# KiCad board Rogelio Pineda part 2v2-AMLDC-2044B.kicad_pcb (continued)
## Nets (continued)
P6p11: UP6.11
P6p12: UP6.5 UP6.12
P6p13: UP6.13
P7p2: UP7.2
P7p3: UP7.3 UR7.3 US7.3
P7p5: UP7.5
P7p8: UP7.8
P7p9: UP7.9
P7p11: UP7.11 UR7.14
P7p12: UP7.1 UP7.12
P7p14: UP7.14
Q1p1: C8.2 C9.1 Q1.1 Q1.2 R20.1 R21.2 R23.1 R24.2
Q1p3: C9.2 Q1.3 R25.1 Y1.1
R0p1: UR0.1
R0p4: UR0.4
R0p9: UR0.9
R0p12: UR0.12
R0p13: UR0.2 UR0.5 UR0.10 UR0.13 US0.2 US0.5 US0.10 US0.13
R1p1: UR1.1
R1p2: UR1.2
R1p3: UR1.3
R1p4: UR1.4 UR1.13 US1.4 US1.13
R1p5: UR1.5 US1.5
R1p6: UR1.6
R1p7: UR1.7
R1p8: UR1.8
R1p9: UR1.9
R1p10: UR1.10
R1p11: UR1.11
R1p14: UR1.14
R1p15: UR1.15
R1p16: UR1.16
R2p1: UR2.1
R2p4: UR2.4
R2p8: UR2.8
R2p9: UR2.9
R2p11: UR2.11
R2p12: UR2.12
R2p13: UR2.13
R2p14: UR2.14
R2p15: UR2.15
R2p16: UR2.16
R3p1: UR3.1
R3p4: UR3.4
R3p9: UR3.9
R3p10: UR3.5 UR3.10 US3.5 US3.10
R3p12: UR3.12
R3p13: UR3.2 UR3.13 US3.2 US3.13
R4p1: UR4.1
R4p2: UR4.2
R4p3: UR4.3
R4p5: UR4.5
R4p6: UR4.6
R4p7: UR4.7
R4p8: UR4.8
R4p9: UR4.9
R4p10: UR4.10
R4p11: UR4.11
R4p13: UR4.4 UR4.13 US4.4 US4.13
R4p14: UR4.14
R4p15: UR4.15
R4p16: UR4.16
R5p1: UR5.1
R5p2: UR5.2
R5p3: UR5.3
R5p4: UR5.4
R5p5: UR5.5
R5p6: UR5.6
R5p9: UR5.9
R5p10: UR5.10
R5p11: UR5.11
R5p12: UR5.12
R5p13: UR5.13
R6p3: UR6.3
R6p4: UR6.4
R6p6: UR6.6
R6p8: UR6.8
R6p9: UR6.9
R6p10: UR6.10
R6p11: UR6.11
R6p12: UR6.5 UR6.12
R6p13: UR6.13
R7p2: UR7.2
R7p5: UR7.5
R7p8: UR7.8
R7p9: UR7.9
R7p11: UR7.11 US7.14
R7p12: UR7.1 UR7.12
R39p1: R39.1 R69.2
R39p2: R39.2
R42p2: R42.2
R79p2: R79.2
S0p1: US0.1
S0p3: US0.3
S0p4: US0.4
S0p6: US0.6
S0p8: US0.8
S0p9: US0.9
S0p11: US0.11
S0p12: US0.12
S1p1: US1.1
S1p2: US1.2
S1p3: US1.3
S1p6: US1.6
S1p7: US1.7
S1p8: US1.8
S1p9: US1.9
S1p10: US1.10
S1p11: US1.11
S1p14: US1.14
S1p15: US1.15
S1p16: US1.16
S3p1: US3.1
S3p3: US3.3
S3p4: US3.4
S3p6: US3.6
S3p8: US3.8
S3p9: US3.9
S3p11: US3.11
S3p12: US3.12
S4p1: US4.1
S4p2: US4.2
S4p3: US4.3
S4p6: US4.6
S4p7: US4.7
S4p8: US4.8
S4p9: US4.9
S4p10: US4.10
S4p11: US4.11
S4p14: US4.14
S4p15: US4.15
S4p16: US4.16
S6p3: US6.3
S6p6: US6.6
S6p8: US6.8
S6p9: US6.9
S6p10: US6.10
S6p11: US6.11
S6p12: US6.5 US6.12
S6p13: US6.13
S7p2: US7.2
S7p8: US7.8
S7p9: US7.9
S7p11: US7.11
S7p12: US7.1 US7.12
SEL EN: J1.76
SPARE: J1.79 R56.1
STRT: J1.52
T0p1: UT0.1
T0p2: UT0.2
T0p3: UT0.3
T0p4: UT0.4
T0p5: UT0.5
T0p6: UT0.6
T0p8: UT0.8
T0p9: UT0.9
T0p10: UT0.10
T0p11: UT0.11
T0p12: UT0.12
T0p13: UT0.13
T1p1: UT1.1
T1p2: UT1.2
T1p3: UT1.3
T1p4: UT1.4
T1p5: UT1.5
T1p6: UT1.6
T1p8: UT1.8
T1p9: UT1.9
T1p10: UT1.10
T1p11: UT1.11
T1p12: UT1.12
T1p13: UT1.13
T2p1: UT2.1
T2p2: UT2.2
T2p4: UT2.4
T2p5: UT2.5
T2p6: UT2.6
T2p8: UT2.8
T2p9: UT2.9
T2p10: UT2.10
T2p12: UT2.12
T2p13: UT2.13
T3p1: UT3.1
T3p2: UT3.2
T3p3: UT3.3
T3p4: UT3.4
T3p5: UT3.5
T3p6: UT3.6
T3p8: UT3.8
T3p9: UT3.9
T3p10: UT3.10
T3p11: UT3.11
T3p12: UT3.12
T3p13: UT3.13
T6p1: UT6.1
T6p2: UT6.2
T6p3: UT6.3
T6p4: UT6.4
T6p5: UT6.5
T6p6: UT6.6
T6p8: UT6.8
T6p9: UT6.9
T6p10: UT6.10
T6p11: UT6.11
T6p12: UT6.12
T6p13: UT6.13
T7p1: UT7.1
T7p2: UT7.2
T7p3: UT7.3
T7p5: UT7.5
T7p8: UT7.8
T7p9: UT7.9
T7p10: UT7.10
T7p11: UT7.11
T7p12: UT7.12
T7p14: UT7.14
TRK0: J1.84
TRK1: J1.86
TRK2: J1.87
TRK3: J1.83
TRK4: J1.89
TRK5: J1.91
TRK6: J1.73
U0p1: UU0.1
U0p2: UU0.2
U0p3: UU0.3
U0p4: UU0.4
U0p5: UU0.5
U0p6: UU0.6
U0p8: UU0.8
U0p9: UU0.9
U0p10: UU0.10
U1p1: UU1.1
U1p3: UU1.3
U1p4: UU1.4
U1p5: UU1.5
U1p6: UU1.6
U1p7: UU1.7
U1p8: UU1.8
U1p9: UU1.9
U1p10: UU1.10
U1p11: UU1.11
U1p12: UU1.12
U1p13: UU1.13
U1p14: UU1.14
U2p1: UU2.1
U2p2: UU2.2
U2p3: UU2.3
U2p4: UU2.4
U2p5: UU2.5
U2p6: UU2.6
U2p8: UU2.8
U2p9: UU2.9
U2p10: UU2.10
U2p11: UU2.11
U2p12: UU2.12
U2p13: UU2.13
U3p1: UU3.1
U3p2: UU3.2
U3p3: UU3.3
U3p4: UU3.4
U3p5: UU3.5
U3p6: UU3.6
U3p8: UU3.8
U3p9: UU3.9
U3p10: UU3.10
U3p11: UU3.11
U3p12: UU3.12
U3p13: UU3.13
U4p1: UU4.1
U4p2: UU4.2
U4p3: UU4.3
U4p4: UU4.4
U4p5: UU4.5
U4p6: UU4.6
U4p7: UU4.7
U4p8: UU4.8
U4p9: UU4.9
U4p10: UU4.10
U4p11: UU4.11
U4p12: UU4.12
U4p13: UU4.13
U4p14: UU4.14
U5p1: UU5.1
U5p2: UU5.2
U5p4: UU5.4
U5p5: UU5.5
U5p6: UU5.6
U5p8: UU5.8
U5p9: UU5.9
U5p10: UU5.10
U5p12: UU5.12
U5p13: UU5.13
W0p1: UW0.1
W0p3: UW0.3
W0p4: UW0.4
W0p5: UW0.5
W0p6: UW0.6
W0p8: UW0.8
W0p9: UW0.9
W0p10: UW0.10
W0p11: UW0.11
W0p12: UW0.12
W0p13: UW0.13
W1p1: UW1.1
W1p2: UW1.2
W1p3: UW1.3
W1p4: UW1.4
W1p5: UW1.5
W1p6: UW1.6
W1p7: UW1.7
W1p8: UW1.8
W1p9: UW1.9
W1p10: UW1.10
W1p11: UW1.11
W1p12: UW1.12
W1p13: UW1.13
W1p14: UW1.14
W1p15: UW1.15
W1p16: UW1.16
W2p1: UW2.1
W2p2: UW2.2
W2p3: UW2.3
W2p4: UW2.4
W2p5: UW2.5
W2p6: UW2.6
W2p7: UW2.7
W2p8: UW2.8
W2p9: UW2.9
W2p10: UW2.10
W2p11: UW2.11
W2p12: UW2.12
W2p13: UW2.13
W2p14: UW2.14
W2p15: UW2.15
W2p16: UW2.16
W3p1: UW3.1
W3p2: UW3.2
W3p3: UW3.3
W3p4: UW3.4
W3p5: UW3.5
W3p6: UW3.6
W3p8: UW3.8
W3p9: UW3.9
W3p12: UW3.12
W3p13: UW3.13
W4p1: UW4.1
W4p2: UW4.2
W4p3: UW4.3
W4p4: UW4.4
W4p5: UW4.5
W4p6: UW4.6
W4p7: UW4.7
W4p8: UW4.8
W4p9: UW4.9
W4p10: UW4.10
W4p11: UW4.11
W4p12: UW4.12
W4p13: UW4.13
W4p14: UW4.14
W4p15: UW4.15
W4p16: UW4.16
W5p1: UW5.1
W5p2: UW5.2
W5p3: UW5.3
W5p4: UW5.4
W5p5: UW5.5
W5p6: UW5.6
W5p7: UW5.7
W5p8: UW5.8
W5p9: UW5.9
W5p10: UW5.10
W5p11: UW5.11
W5p12: UW5.12
W5p13: UW5.13
W5p14: UW5.14
W5p15: UW5.15
W5p16: UW5.16
W6p1: UW6.1
W6p2: UW6.2
W6p3: UW6.3
W6p4: UW6.4
W6p5: UW6.5
W6p6: UW6.6
W6p8: UW6.8
W6p9: UW6.9
W6p10: UW6.10
W6p11: UW6.11
W6p12: UW6.12
W6p13: UW6.13
WALLOUT: J1.65
WRT: J1.88
~{DATA0}: J2.62
~{DATA1}: J2.65
~{DATA2}: J2.82
~{DATA3}: J2.73
~{DATA4}: J2.61
~{DATA5}: J2.57
~{DATA6}: J2.95
~{DATA7}: J2.55
~{DATA8}: J2.60
~{DATA9}: J2.63
~{DATA10}: J2.75
~{DATA11}: J2.58
~{DATA12}: J2.59
~{DATA13}: J2.64
~{DATA14}: J2.56
~{DATA15}: J2.66
~{DCHA}: J1.60
~{DCHM0}: J2.17
~{DCHM1}: J2.21
~{DCHP IN}: J1.94
~{DCHP OUT}: J1.93
~{DCHR}: J2.35
~{DS0}: J1.72
~{DS1}: J1.68
~{DS2}: J1.66
~{DS3}: J1.46
~{DS4}: J1.62
~{DS5}: J1.64
~{INTP IN}: J1.96
~{INTP OUT}: J1.95
~{INTR}: J2.29
~{MSKO}: J1.38
~{RQENB}: J2.41
~{SELB}: J1.82
~{SELD}: J1.80
/Net-(UG4A-Q): UG4.13
/unconnected-(UV4-D-Pad14): UV4.14

Pads without a net: C1 1 2; C2 1 2; C3 1 2; C4 1 2; C5 1; C6 1 2; C7 2; C10 1 2; C14 1; C18 1 2; C19 1 2; C20 1 2; C21 1 2; C22 1 2; C23 1 2; C28 1; C29 1; C32 1 2; C33 1 2; C34 1 2; C35 1 2; C36 2; C38 2; C40 2; C44 2; C46 2; C47 1; C48 1 2; C54 1; C57 2; C62 1; C63 1 2; C69 2; C70 2; C71 1; CR2 1 2; CR4 1 2; CR5 1 2; J1 5 7 8 9 11 12 13 14 15 16 17 18 19 20 21 22 23 24 25 26 27 28 29 30 31 32 35 36 37 39 41 43 45 47 49 51 53 55 78 92; J2 5 7 8 9 10 12 14 16 18 20 22 24 26 28 30 31 32 34 40 42 43 44 45 46 47 48 51 52 54 67 68 69 70 71 72 74 76 77 78 79 80 83 85 86 87 88 89 90 91 92 93 94 96; JP1 1; JP4 1; JP5 1; JP7 1 2; JP8 1 2; R1 2; R2 2; R3 1 2; R4 1 2; R5 1 2; R6 1 2; R7 1; R8 1 2; R9 1; R10 1; R11 1 2; R12 1; R14 1 2; R15 2; R18 1; R22 1 2; R26 1 2; R27 1; R28 1 2; R30 1; R31 1; R32 1; R33 2; R34 2; R37 1; R38 1; R40 2; R41 1 2; R42 1; R43 1 2; R44 2; R45 1 2; R46 1 2; R47 2; R48 1 2; R50 2; R54 2; R55 1; R57 1 2; R58 1 2; R59 1 2; R60 1 2; R61 1 2; R62 1 2; R63 1 2; R64 1 2; R65 1 2; R66 1 2; R67 2; R68 2; R69 1; R72 1; R73 2; R74 1 2; R75 1 2; R76 1 2; R78 1 2; R79 1; R80 1; R81 2; R82 1 2; R83 1 2; R84 1 2; R85 1; R86 1 2; R87 1; R88 1; R89 1 2; R90 1 2; R92 1; R94 1; UB6 10; UB8 4 6 7 13; UC0 14; UE3 4; UE7 3 11; UF0 14; UF7 14; UF8 3 11; UG0 9 10 13; UG4 1 3 11; UG5 13; UJ0 11 12; UK8 7; UL2 6; UM8 7 13; UN3 3; UN7 3; UP0 9; UP2 7; UP4 1 3 4 7 9 12 13; UP5 3 11; UP7 4 6 7 13; UR6 7; UR7 4 6 7 13; US2 1 2 3 4 5 6 8 9 10 11 12 13; US6 4; US7 4 5 6 7 13; UT0 7 14; UT1 7 14; UT2 3 7 11 14; UT3 7 14; UT6 7 14; UT7 4 6 7 13; UU0 7 11 12 13 14; UU1 2; UU2 7 14; UU3 7 14; UU4 15 16; UU5 3 7 11 14; UV0 7 14; UV2 7 10 11 14; UV3 7 14; UV4 1 2 3 4 5 6 7 8 9 10 11 12 13 15 16; UV6 2 7 14; UV7 7 14; UW0 2 7 14; UW3 7 10 11 14; UW6 7 14; Y1 3

## Via types
v1: diameter 0.6, hole 0.3, Top to Bottom, 616 vias
v2: diameter 0.8, hole 0.4, Top to Bottom, 22 vias
v3: diameter 0.8, hole 0.3, Top to Bottom, 1 via

## Routing (per net, layer and track width the routed paths; a pad name or vN(x,y) marks a point on that pad's centre or on a via; arc(x,y) is an arc through that point)
+5V: length 3483.2
  Top w0.15: J2.3 81.19,192.06 v2(81.38,192.04) 81.67,192.05 82.27,192.47 83.4,193 83.92,193.52 v1(83.72,223.05) 83.92,223.05
  Top w0.25: 379.78,287.21 v1(379.75,287.11) 378.13,287.21 377.77,286.85 377.68,286.94 ; UR6.14 340.88,143.56 340.13,144.31 ; UB8.5 425.71,383.3 424.96,382.37 424.48,381.92 C17.2 415.32,381.42 414.74,382 ; 414.09,321.34 414,321.43 414.11,321.54 414.11,340.65 ; 414.09,321.34 414.09,304.62 ; 414.09,321.34 UF8.14 ; 340.93,359.83 341.04,359.94 UD6.14 ; 340.93,359.83 340.68,360.07 C52.2 340.68,371.26 341.09,371.66 ; 340.93,359.83 340.93,341.21 ; 341.3,227.89 341.44,227.75 v1(342.19,227.79) 342.23,227.75 342.31,227.82 ; 341.3,227.89 341.2,227.8 341.2,220.8 ; 341.3,227.89 341.3,254.52 ; UH3.14 227.09,290.17 226.82,290.44 ; 413.94,227.71 413.91,227.69 ; 413.94,227.71 414.43,227.22 C54.2 413.37,208.63 413.37,193.92 ; 413.94,227.71 413.94,229.95 v1(413.87,230.01) 413.94,230.08 413.94,239.94 ; 296.34,376.24 UC5.14 ; 296.34,376.24 296.08,376.51 296.08,392.86 ; 296.34,376.24 296.65,375.93 296.65,359.91 296.75,360.01 ; 414.74,382 414.74,375.87 414.81,375.94 ; 414.74,382 414.74,401.39 414.13,401.99 378.05,401.99 ; 146.42,176.62 146.42,162.66 146.49,162.59 ; 146.42,176.62 146.42,204.86 146.49,204.93 ; 146.42,176.62 156.52,176.62 157.38,178.48 UN1.5 ; 296.39,205.04 296.39,221.23 296.14,221.47 ; 296.39,205.04 296.39,188 ; 296.39,205.04 296.54,204.89 UM5.14 ; 259.2,333.74 259.2,322.43 258.91,322.14 258.98,322.07 ; 259.2,333.74 259.2,332.89 259.21,332.88 v1(257.8,332.88) 257.8,332.92 ; 259.2,333.74 259.2,341.16 ; 296.39,188 296.58,188.19 UN5.16 ; 296.39,188 296.39,163.01 ; 296.39,144.99 296.39,110.98 296.37,110.95 ; 296.39,144.99 UR5.14 ; 296.39,144.99 296.39,163.01 ; UB3.14 227.25,393.89 227.23,393.87 ; 112.29,204.87 112.14,207.47 110.98,209.85 107.59,214.58 107.59,222.21 ; 112.29,204.87 UM0.14 ; 112.29,204.87 111.72,204.31 110.86,200.43 108.95,196.11 108.32,191.61 108.29,189.08 108,188.3 ; 106.36,399.52 108.18,401.34 140.08,401.34 ; 106.36,399.52 105.4,398.56 R37.2 ; 106.36,399.52 105.38,398.54 ; 378.17,340.79 UE7.14 ; 378.17,340.79 378.17,325.72 ; 378.17,340.79 378.24,340.87 378.24,359.84 ; 341.09,371.66 338.72,371.66 338.6,371.54 v1(338.6,371.39) 338.44,371.39 338.52,371.47 ; 341.09,371.66 341.24,371.82 341.24,376.08 ; 185.96,369.49 185.07,368.42 R50.1 ; 341.2,162.65 341.36,162.49 341.48,162.61 UP6.14 ; 341.2,162.65 341.2,187.82 ; 341.2,162.65 340.1,162.65 340.02,162.73 340.02,149.08 340.13,148.97 ; UP0.14 108.19,163 107.88,162.69 107.88,163.02 ; 378.18,392.69 v1(378.18,398.01) 378.18,400.73 378.75,401.3 378.05,401.99 ; 378.18,392.69 378.18,376.38 ; 378.18,392.69 378.3,392.56 378.33,392.59 UB7.14 ; 377.09,187.87 377.09,203.52 376.14,204.46 ; 377.09,187.87 377.27,187.69 377.27,149.38 v1(377.22,149.33) 377.27,149.29 v1(377.27,132.82) 377.27,128.58 377.22,127.58 377.31,125.89 v1(377.13,114.72) 377.04,111.29 ; 377.09,187.87 377.2,187.99 UN7.14 ; UL2.14 187.16,221.48 186.62,222.02 ; 376.14,204.46 UM7.14 ; 376.14,204.46 376.67,205 376.67,221.12 ; UD1.14 146.08,362.86 145.85,362.63 ; 143.97,354.12 v1(144.02,354.07) 144.07,354.02 145.85,354.02 ; 413.37,193.92 413.96,193.33 422.18,193.33 422.42,193.57 424.67,195.32 426.01,196.99 ; 413.37,193.92 412.95,193.5 R21.1 410.82,175.52 410.49,174.78 409.92,173.73 409.92,162.6 409.9,161.63 409.92,161.09 410.63,160.21 411.33,159.55 R23.2 412.91,155.02 R24.1 412.83,110.87 412.82,110.85 ; 259.04,382.2 259.04,376.92 ; 259.04,382.2 v1(259.06,382.21) 259.04,393.96 ; 259.04,382.2 258.47,381.62 257.8,381.62 256.37,383.04 ; 259.04,376.92 261.28,376.92 UC4.14 ; 259.04,376.92 259.04,374.38 ; UL1.14 146.53,221.38 146.49,221.35 ; 186.31,396.02 186.17,396.15 186.17,402.05 185.9,402.32 ; 186.31,396.02 186.38,396.08 UB2.14 ; 186.31,396.02 186.31,378.12 ; 185.87,361.64 UD2.14 ; 185.87,361.64 185.83,361.6 185.8,361.62 R12.2 185.96,364.9 R13.1 185.96,377.77 186.31,378.12 ; 185.87,361.64 185.87,343.79 186,343.66 ; 296.05,402.1 296.05,398.57 v1(296.08,398.55) 296.05,398.52 296.05,394.41 296.08,392.86 ; 296.05,402.1 340.87,402.1 ; 296.05,402.1 283.86,402.1 ; 110.29,233.89 111.61,233.81 118.23,233.45 118.52,233.74 C65.1 ; 110.29,233.89 110.29,235.87 110.69,236.99 111.76,238.57 112.68,240.24 112.96,252.16 ; 110.29,233.89 107.24,224.52 107.59,222.21 ; 341.24,376.08 341.36,376.19 UC6.14 ; 341.24,376.08 341.13,376.2 341.13,393.36 ; 145.94,290.51 145.94,270.98 ; 145.94,290.51 146.13,290.32 UH1.14 ; 145.94,290.51 145.85,290.6 145.85,295.74 ; 145.94,270.98 146.06,270.86 146.06,254.47 146.3,254.71 ; 145.94,270.98 145.99,270.93 146.13,271.07 UJ1.14 ; 340.93,341.21 341.29,340.84 UE6.14 ; 340.93,341.21 340.93,335.57 341.17,335.33 341.17,321.68 ; 259.04,305.8 258.98,305.86 258.98,322.07 ; 259.04,305.8 261.33,305.8 UG4.16 ; 259.04,305.8 259.04,294.5 ; 145.85,324.97 145.85,308.45 ; 145.85,324.97 145.85,343.68 ; 145.85,324.97 146.38,324.44 146.55,324.61 UF1.14 ; 145.85,308.45 145.85,295.74 ; 145.85,308.45 146.25,308.05 UG1.14 ; 140.08,401.34 140.11,401.32 145.5,401.32 ; 140.08,401.34 140.93,400.49 140.93,378.64 143.38,375.99 144.48,375.84 145.98,376.29 145.98,376.54 ; C51.2 378.51,325.49 378.45,325.44 378.17,325.72 ; 107.28,308.59 107.67,308.2 107.67,306.29 ; 107.28,308.59 R93.1 R93.2 ; 107.28,308.59 107.77,308.1 UG0.14 ; 107.67,290.7 108.36,290 UH0.14 ; 107.67,290.7 107.4,290.52 R54.1 ; 107.67,290.7 107.74,277.79 ; 107.67,290.7 107.67,306.29 ; 295.92,305.57 296.33,305.16 UG5.14 ; 295.92,305.57 295.92,319.31 296.75,320.14 296.75,321.86 ; 295.92,305.57 296.15,305.34 R31.2 296.15,287.81 ; 414.81,375.94 414.94,375.81 414.94,359.87 ; 414.81,375.94 416.68,375.94 ; 259.04,361.68 259.04,341.01 259.2,341.16 ; 259.04,361.68 259.04,374.38 ; 259.04,361.68 259.04,360.39 259.18,360.26 UD4.14 ; 145.85,295.74 146.03,295.56 v1(148,295.64) 148.06,295.56 148.17,295.67 ; 296.75,360.01 296.75,350.23 ; 296.75,360.01 UD5.16 ; 296.75,350.23 294.76,350.27 R44.1 ; 296.75,350.23 296.75,341 ; 378.17,325.72 377.68,325.23 377.68,304.41 ; 341.17,305.23 341.32,305.07 341.42,305.16 UG6.14 ; 341.17,305.23 341.17,287.67 341.13,287.63 341.3,287.46 ; 341.17,305.23 341.17,321.68 ; UM1.14 146.64,205.08 146.49,204.93 ; 296.75,321.86 296.92,321.7 297.07,321.84 UF5.14 ; 296.75,321.86 296.75,341 ; 226.25,236.98 226.25,259.81 v1(226.41,259.97) 226.25,260.12 226.25,271.07 226.23,271.1 ; 226.25,236.98 229.93,236.94 230.28,237.29 C68.2 ; 226.25,236.98 226.25,221.85 ; 259.04,288.02 259.04,277.86 ; 259.04,288.02 259.04,294.5 ; 259.04,288.02 259.04,287.78 259.24,287.59 259.32,287.67 UH4.16 ; 259.04,277.86 259.04,242.3 ; 259.04,277.86 259.04,276.91 258.72,276.59 R47.1 ; 186,332.94 186,332.73 186.35,332.38 191.04,332.38 190.93,332.49 v1(191.21,332.49) 191.21,332.21 ; 186,332.94 186,330.87 v1(186.1,330.76) 186,330.66 186,324.66 186.04,324.62 186.16,324.75 ; 186,332.94 186,343.66 ; UC2.16 186.38,378.05 186.31,378.12 ; 259.04,393.96 259.71,393.29 UB4.16 ; 259.04,393.96 259.04,402.32 ; 340.87,402.1 341.13,401.84 341.13,398.17 ; 340.87,402.1 363.07,402.1 363.18,401.99 ; 226.23,271.1 226.12,270.99 226.12,289.74 226.82,290.44 ; 226.23,271.1 UJ3.14 ; 186.16,324.75 UF2.14 ; 186.16,324.75 186.28,324.64 186.28,308.1 186.42,308.24 ; v2(118.98,369.49) 118.43,368.94 108.18,368.94 108.18,369.09 ; 377.95,270.34 378.38,270.76 UJ7.16 ; 377.95,270.34 377.95,254.83 ; 377.95,270.34 377.95,286.67 377.68,286.94 ; 414.09,304.62 414.2,304.51 414.48,304.79 UG8.14 ; 414.09,304.62 413.94,304.47 413.94,255 ; 107.88,363.1 108.13,362.85 UD0.14 ; 107.88,363.1 107.88,368.79 108.18,369.09 ; 107.88,363.1 107.88,345.39 ; 258.68,163.56 C55.1 259.04,172.75 259.04,206.74 ; 258.68,163.56 258.68,163.3 258.68,163.3 259.13,162.85 UP4.16 ; 258.68,163.56 258.68,134.02 ; 102.98,398.39 104.61,398.39 R37.2 ; 102.98,398.39 R18.2 100.13,396.57 99.95,396.38 ; 102.98,398.39 105.23,398.39 105.38,398.54 ; UM2.16 186.88,204.82 186.59,205.12 ; UP5.14 296.38,162.94 296.35,162.97 296.39,163.01 ; 296.14,221.47 296.14,238.96 296.22,239.04 ; 296.14,221.47 296.26,221.59 UL5.16 ; 296.22,239.04 296.37,238.9 296.43,238.96 UK5.14 ; 296.22,239.04 296.22,274.67 ; 414.94,346 414.11,345.17 414.11,344.51 v1(414.13,344.49) 414.11,344.46 414.11,340.65 ; 414.94,346 415.1,345.84 C53.2 ; 414.94,346 414.94,359.87 ; 146.3,254.71 UK1.14 ; 146.3,254.71 146.3,233.96 ; J1.97 81.21,231.97 v2(81.23,231.94) ; J1.3 87.78,381.74 99.95,396.38 ; US0.14 108.13,128.46 107.99,128.61 108.07,128.69 108.07,132.64 ; UN6.14 341.68,188.14 341.28,187.74 341.2,187.82 ; 258.98,322.07 UF4.14 ; 186.42,254.71 186.62,254.51 186.62,233.43 ; 186.42,254.71 186.72,254.4 186.77,254.44 UK2.14 ; 186.42,254.71 186.42,270.89 ; 340.13,144.31 340.13,128.65 340.57,128.21 340.71,128.34 US6.14 ; 340.13,144.31 340.13,148.97 ; 377.95,242.72 376.67,241.45 376.67,229.74 ; 377.95,242.72 377.95,254.83 ; 377.95,242.72 R40.1 ; 226.74,343.71 226.74,327.54 226.55,327.36 226.62,327.29 ; 226.74,343.71 UE3.14 ; 226.74,343.71 226.72,343.69 226.55,343.86 226.55,363.44 ; 226.62,327.29 C26.1 ; 226.62,327.29 226.62,324.75 ; 226.55,379.28 226.34,379.49 R27.2 ; 226.55,379.28 226.45,379.38 226.45,393.86 ; 226.55,379.28 226.55,363.44 ; 226.55,379.28 226.74,379.46 UC3.14 ; 145.98,376.54 145.98,379.29 ; 145.98,376.54 145.98,372.14 ; 107.59,222.21 108.32,221.48 UL0.14 ; 186.62,233.43 191.88,233.53 192.08,233.73 C67.1 ; 186.62,233.43 186.62,222.02 ; 186.42,308.24 186.42,290.2 ; 186.42,308.24 UG2.14 ; 186.42,290.2 186.42,270.89 ; 186.42,290.2 186.55,290.06 186.7,290.21 UH2.14 ; 259.04,294.5 258.81,294.27 258.61,294.47 R68.1 ; 341.3,287.46 UH6.14 ; 341.3,287.46 341.3,270.78 ; 226.55,363.44 227.24,362.76 UD3.16 ; 145.85,362.63 145.85,354.02 ; 145.85,362.63 145.85,372.01 145.98,372.14 ; 145.85,354.02 145.85,343.68 ; 107.88,163.02 107.88,188.19 108,188.3 ; 107.88,163.02 107.88,145.43 ; UL3.14 226.61,221.49 226.25,221.85 ; C70.1 226.31,170.89 226.02,171.18 ; 185.9,402.32 217.61,402.32 ; 185.9,402.32 146.5,402.32 145.5,401.32 ; 217.61,402.32 220.53,402.32 ; 217.61,402.32 217.83,402.1 R30.2 ; 414.94,359.87 415.17,359.64 UD8.14 ; 377.95,254.83 378.87,253.91 UK7.14 ; 146.49,204.93 146.49,221.35 ; 341.2,220.8 341.2,204.51 ; 341.2,220.8 341.55,221.14 UL6.14 ; UG7.14 378.18,304.91 377.68,304.41 ; 146.49,162.59 146.81,162.91 UP1.14 ; 146.49,162.59 145.96,159.86 145.85,158.66 145.31,152.27 144.24,150.63 143.46,147.49 142.85,145.96 142.53,145.35 142.31,144.6 142.2,135.62 142.21,133.08 143.12,133.08 143.25,132.95 v1(143.43,132.95) 143.43,132.77 143.46,132.75 ; 146.49,221.35 146.3,221.54 146.3,233.96 ; 296.22,274.67 296.22,287.74 296.15,287.81 ; 296.22,274.67 297.08,274.67 v1(297.2,274.79) 297.26,274.85 ; 108.07,132.64 107.88,132.83 107.88,145.43 ; 108.07,132.64 108.1,132.66 110.52,132.66 v1(110.6,132.74) 110.67,132.66 110.8,132.66 ; 186.48,134.35 186.48,128.69 186.69,128.48 186.82,128.61 US2.14 ; 186.48,134.35 197.21,134.35 198.18,136.21 UR2.5 ; 186.48,134.35 186.3,134.53 R85.2 186.3,170.91 v1(186.12,171.09) 186.3,171.28 186.3,204.83 186.59,205.12 ; 259.04,229.6 259.04,228.7 259.07,228.67 259.41,229 UL4.14 ; 259.04,229.6 259.04,242.3 ; 259.04,229.6 259.04,206.74 ; R37.2 108.18,395.16 108.18,369.09 ; 259.04,242.3 v1(260.38,242.42) 260.44,242.3 260.45,242.29 ; 341.2,187.82 341.2,204.51 ; C39.2 263.11,133.77 263.03,133.69 ; 107.88,345.39 108.66,344.62 108.98,344.62 UE0.14 ; 107.88,345.39 107.28,344.79 R93.2 ; 107.88,345.39 112.34,345.39 113.6,344.13 113.6,343.28 115.09,341.79 ; 378.05,401.99 369.26,401.99 ; 341.2,204.51 341.29,204.59 UM6.14 ; 377.68,304.41 377.68,286.94 ; 341.13,398.17 341.27,398.32 C5.2 ; 341.13,398.17 341.13,396.64 ; 259.04,374.38 259.04,373.23 258.85,373.04 258.15,373.75 R88.2 255.31,371.53 254.09,369.11 ; 341.13,396.64 340.13,395.64 R81.1 ; 341.13,396.64 341.13,393.36 ; UM4.14 259.46,204.91 259.3,204.76 259.04,205.02 259.04,206.74 ; 222.78,402.32 226.02,402.32 ; 222.78,402.32 222.96,402.14 222.96,396.73 v1(223.04,396.65) 222.96,396.57 222.96,396.45 223.03,396.38 ; 222.78,402.32 220.53,402.32 ; 226.02,402.32 259.04,402.32 ; 226.02,402.32 226.49,402.32 226.56,402.25 226.56,397.46 226.62,397.52 v1(226.62,397.39) 226.49,397.39 226.38,397.28 226.45,397.21 226.45,393.86 ; 105.38,398.54 104.88,398.54 104.63,398.29 ; 145.5,401.32 145.5,395.57 145.91,395.98 UB1.14 ; 107.67,306.29 103.38,306.29 R73.1 ; 340.13,148.97 C37.2 ; 226.17,163.01 UP3.14 ; 226.17,163.01 226.02,162.87 226.02,171.18 ; 226.17,163.01 226.05,162.9 226.05,144.62 ; 283.86,402.1 284.19,399.02 R87.2 ; 283.86,402.1 259.04,402.32 ; 220.53,402.32 R29.2 ; 226.78,324.75 226.79,324.74 UF3.16 ; 226.78,324.75 226.62,324.75 ; 226.78,324.75 229.09,324.75 ; C7.1 363.66,401.51 363.18,401.99 ; 369.26,401.99 370.03,401.22 R80.2 ; 369.26,401.99 363.18,401.99 ; 259.2,341.16 UE4.14 ; 414.11,340.65 414.29,340.48 414.4,340.59 UE8.14 ; 107.74,271.22 107.67,271.15 107.67,271.16 107.67,277.49 ; 107.74,271.22 107.74,260.64 112.96,255.42 112.96,252.16 ; 107.74,271.22 UJ0.14 ; 112.96,252.16 113.15,251.97 UK0.14 ; R93.2 R32.2 ; 296.75,341 UE5.14 ; 258.68,134.02 259.01,133.69 263.03,133.69 ; 258.68,134.02 258.68,114.49 258.99,114.18 268.94,114.18 270.66,117.49 US4.5 ; 226.82,290.44 226.82,308.05 ; 378.18,376.38 378.37,376.19 UC7.14 ; 378.18,376.38 378.09,376.3 378.09,359.69 378.24,359.84 ; 413.94,239.94 413.94,242.77 v1(413.96,242.79) 413.94,242.81 413.94,255 ; 413.94,239.94 413.83,239.83 ; 378.23,230.29 v1(378.23,230.25) 378.18,230.25 377.68,229.74 376.67,229.74 ; 108.81,277.75 v1(109.18,277.86) 107.74,277.79 ; 376.67,229.74 376.67,221.12 ; 227.23,393.87 228.73,393.9 ; 227.23,393.87 226.45,393.86 ; 107.67,277.49 107.74,277.79 ; 107.67,277.49 107.59,277.42 R55.2 ; 146.3,233.96 146.99,233.27 151.33,233.35 151.53,233.54 C66.2 ; 296.15,287.81 296.42,287.54 UH5.14 ; 186.59,205.12 186.62,205.15 186.62,222.02 ; 226.02,171.18 226.02,187.85 226.43,188.26 ; 376.67,221.12 376.99,220.81 377.28,221.09 UL7.14 ; 226.82,308.05 UG3.14 ; 226.82,308.05 226.55,308.31 226.55,324.69 226.62,324.75 ; 186,343.66 186.2,343.86 UE2.14 ; UJ2.14 186.97,271.17 186.55,270.75 186.42,270.89 ; 108,188.3 UN0.14 ; 341.13,393.36 341.64,392.84 UB6.14 ; UC1.14 146,379.31 145.98,379.29 ; 107.88,145.43 107.88,145.22 108.04,145.05 108.12,145.13 UR0.14 ; 263.03,133.69 264.84,133.69 ; 226.32,204.91 226.29,204.88 226.29,188.41 226.43,188.26 ; 226.32,204.91 UM3.14 ; 226.32,204.91 226.25,204.84 226.25,221.85 ; C46.1 145.98,383.34 145.98,379.29 ; UR3.14 226.5,145.07 226.05,144.62 ; 341.3,270.78 341.4,270.67 341.58,270.84 UJ6.14 ; 341.3,270.78 341.3,254.52 ; UB5.14 297.32,392.84 296.08,392.86 ; 341.17,321.68 341.23,321.74 UF6.14 ; UK8.14 413.98,254.01 413.94,254.06 413.94,255 ; 378.24,359.84 UD7.14 ; 145.98,372.14 145.68,371.84 ; 226.43,188.26 UN3.14 ; 341.3,254.52 341.5,254.31 UK6.16 ; 145.85,343.68 146.03,343.5 146.29,343.76 UE1.14 ; 226.05,144.62 226.05,129.09 226.78,128.36 US3.14 ; 99.95,396.38 100.08,396.54
GND: length 3358.9
  Top w0.15: 278.58,197.29 UM4.7 ; 278.58,197.29 278.59,197.28 278.85,197.54 278.85,221.01 ; 278.58,197.29 281.19,194.68 281.19,185 ; UE1.7 165.53,336.14 165.61,336.06 165.68,336.12 ; 208.53,398.97 208.53,388.25 ; 208.53,398.97 208.53,400.15 v1(208.58,400.2) 208.53,400.25 208.53,400.37 ; 208.53,398.97 208.51,398.94 C30.2 ; 208.53,388.25 208.53,381.54 ; 208.53,388.25 208.5,388.22 208.25,388.46 UB2.7 ; 433.62,345.88 433.62,342.05 433.67,342 433.67,333.19 ; 433.62,345.88 433.62,352.06 ; 433.62,345.88 433.66,345.84 C53.1 ; 281.9,155.94 279.67,155.94 UP4.8 ; 281.9,155.94 281.9,150.86 ; 281.9,155.94 281.9,173.72 ; 397.26,237.83 397.03,238.06 397.03,246.29 ; 397.26,237.83 395.69,237.83 v1(395.6,237.92) 395.51,237.83 395.48,237.83 395.43,237.89 ; 397.26,237.83 397.26,226.72 396.88,226.34 v1(396.82,226.34) 396.82,226.28 396.74,226.2 396.74,213.28 ; 205.96,333.08 205.96,317.11 ; 205.96,333.08 202.8,332.69 198.85,332.59 v1(197.63,332.74) 197.52,332.69 ; 205.96,333.08 205.96,335.85 ; 205.96,317.11 205.96,300.72 206.06,300.62 ; 205.96,317.11 205.93,317.08 205.87,317.13 UF2.7 ; 165.88,229.08 165.88,214.01 166.13,213.76 ; 165.88,229.08 165.93,229.13 165.93,247.3 ; 165.88,229.08 163,229.35 160.13,229.35 159.83,229.05 C66.1 ; 281.9,134.82 281.9,124.45 281.16,123.71 281.02,118.56 279.38,115.55 278.35,114.1 278.35,110.4 ; 281.9,134.82 281.9,134.6 281.31,134.01 272.73,134.01 272.49,133.77 C39.1 271.21,132.07 271.16,132.02 ; 281.9,134.82 281.9,150.86 ; 316.5,279.76 316.4,279.65 316.13,279.92 UH5.7 ; 316.5,279.76 316.5,292.95 ; 316.5,279.76 316.5,231.9 315.94,231.34 ; UF1.7 165.66,316.99 165.95,316.69 165.95,316.82 ; 247.93,317.25 246.87,317.25 UF3.8 ; 247.93,317.25 246.65,317.28 246.61,317.23 ; 247.93,317.25 248.59,317.23 249,316.82 ; UP6.7 359.79,154.99 360.1,154.69 360.29,154.88 ; 165.95,295.92 165.95,282.64 165.93,282.61 ; 165.95,295.92 165.95,295.8 165.44,295.29 165.09,295.64 C62.2 154.9,295.64 ; 165.95,295.92 165.95,300.26 ; UH4.9 281.34,287.67 282.03,286.97 ; 315.94,231.34 315.94,229.19 318.42,226.71 318.42,213.48 ; 315.94,231.34 UK5.7 ; 281.37,385.87 280.95,385.46 280.74,385.67 UB4.8 ; 281.37,385.87 281.37,393.62 ; 281.37,385.87 281.37,381.29 280.9,380.32 280.11,377.72 279.52,374.23 279.36,373.26 279.26,373.13 279.11,372.12 279.11,369.45 278.71,369.06 ; UD4.7 276.91,352.68 279.28,352.68 ; 422.36,119.5 422.54,119.5 v1(422.63,119.59) 422.72,119.5 423.95,119.5 428,123.55 428,125.55 ; UD7.7 396.64,352.22 397.14,351.72 397.55,352.13 ; C67.2 200.48,229.24 200.53,229.19 206.09,229.19 ; UN3.7 244.8,181.34 246.34,181.34 ; 281.9,298.18 281.9,307.27 281.34,307.83 ; 281.9,298.18 283.82,298.18 284.19,297.81 284.19,294.12 282.06,291.98 282.06,287 282.03,286.97 ; 281.9,298.18 279.51,298.18 UG4.8 ; 363.13,255 363.13,246.67 ; 363.13,255 363.13,254.56 362.89,254.31 UK6.9 ; 363.13,255 363.13,258.91 360.77,261.27 360.77,263.22 360.78,263.23 ; 363.13,246.67 362.91,246.44 362.66,246.69 UK6.8 ; 363.13,246.67 363.13,242.77 363.26,242.64 362.53,241.9 362.53,239.92 360.13,237.53 360.13,226.37 ; 360.29,154.88 360.29,148.32 ; 360.29,154.88 360.29,180.32 ; 360.29,148.32 359.53,149.09 359.01,149.09 358.9,148.97 C37.1 347.37,150.53 346.76,151.81 346.31,152.7 345.94,153.48 345.42,154.41 UP6.2 ; 360.29,148.32 360.29,132.89 ; 396.74,149.42 396.74,132.11 ; 396.74,149.42 396.59,149.27 396.55,149.32 390.16,149.32 389.44,145.46 UR7.10 ; 396.74,149.42 396.74,160.09 ; 396.74,132.11 396.74,114.32 ; 396.74,132.11 396.04,131.42 390.63,131.42 389.58,129.93 US7.10 ; 360.78,352.21 360.93,352.36 360.93,365.42 ; 360.78,352.21 360.67,352.32 UD6.7 ; 360.78,352.21 360.78,332.69 ; UB3.7 244.76,386.95 249.23,386.95 ; UF5.7 315.98,314.22 316.43,313.77 316.5,313.84 ; 397.49,280.03 396.71,279.24 396.36,279.59 395.04,279.59 v1(394.81,279.61) 395.01,279.59 395.02,279.59 ; 397.49,280.03 397.49,296.93 ; 397.49,280.03 397.49,274.97 397.46,274.94 399.47,272.93 399.47,262.75 ; 360.03,196.97 360.51,196.49 360.51,180.54 360.29,180.32 ; 360.03,196.97 360.13,196.87 360.13,213.62 ; 360.03,196.97 UM6.7 ; 316.16,136.32 315.87,136.04 315.87,111.01 ; 316.16,136.32 315.11,137.37 UR5.7 ; 316.16,136.32 316.16,155.91 ; 281.9,173.72 281.72,173.72 280,172 v1(280,171.95) 279.95,171.95 279.88,171.87 ; 281.9,173.72 281.9,184.28 281.19,185 ; C13.2 208.89,381.89 208.53,381.54 ; UM1.7 165.42,197.46 165.76,197.11 166.05,197.4 ; 248.97,324.82 248.97,316.85 249,316.82 ; 248.97,324.82 249.06,324.91 249.06,326.74 246.47,329.33 ; 248.97,324.82 248.85,324.94 248.68,324.94 248.49,324.74 UF3.9 ; 281.19,185 281.39,184.79 281.34,184.85 280.26,184.85 v1(280.24,184.82) 280.21,184.85 280.06,184.85 ; 360.29,180.32 360.09,180.52 UN6.7 ; 166.13,213.76 UL1.7 ; 166.13,213.76 166.13,197.47 166.05,197.4 ; UL2.7 205.95,213.86 206.06,213.74 206.09,213.78 ; 279.36,318.5 279.36,316.84 UF4.7 ; 279.36,318.5 279.36,333.74 ; 279.36,318.5 279.36,309.27 280.8,307.83 281.34,307.83 ; 397.44,325.49 C51.1 ; 397.44,325.49 397.49,325.44 397.49,313.18 ; 397.44,325.49 397.55,325.6 397.55,332.79 ; 206.06,263.96 205.64,263.55 UJ2.7 ; 206.06,263.96 206.06,246.98 ; 206.06,263.96 206.06,282.41 ; 281.34,307.83 279.31,305.8 UG4.9 ; 208.79,197.61 208.79,207.1 206.09,209.8 ; 208.79,197.61 208.38,197.2 UM2.8 ; 208.79,197.61 208.79,192.24 ; 360.13,213.62 360.13,226.37 ; 360.13,213.62 359.97,213.46 359.91,213.52 UL6.7 ; UN7.7 395.54,181.34 396.2,181.34 396.74,181.88 ; 206.06,300.62 206.06,282.41 ; 206.06,300.62 UG2.7 ; 206.06,282.41 205.87,282.59 UH2.7 ; 360.78,298.18 360.78,297.64 360.68,297.54 UG6.7 ; 360.78,298.18 360.78,314.33 ; 360.78,298.18 360.78,280.4 ; 206.09,213.78 206.09,209.8 ; 206.09,213.78 206.09,229.19 ; 206.09,209.8 206.06,209.77 202.73,209.15 201.04,208.99 196.28,208.38 ; 208.79,192.24 208.79,171.2 v1(208.79,171.19) 208.79,171.19 208.79,160.07 208.89,159.97 208.89,157.43 209.13,157.19 v1(209.32,157.19) 209.32,157.01 209.38,156.94 209.38,149.64 208.21,148.47 208.6,148.08 208.6,142.61 ; 208.79,192.24 208.5,191.94 201.95,191.81 ; 166.05,379.84 166,379.79 ; 166.05,379.84 166.21,379.84 ; 166.05,379.84 166.05,371.46 165.97,371.53 ; 279.36,333.74 277.13,333.74 UE4.7 ; 279.36,333.74 279.28,333.82 279.28,352.68 ; 166,354.95 165.68,354.64 C43.2 165.68,336.12 ; 166,354.95 165.71,355.24 UD1.7 ; 166,354.95 166,366.71 166.06,366.78 ; 246.35,232.45 246.38,232.42 240.08,232.87 239.08,232.84 C68.1 ; 246.35,232.45 246.35,213.69 246.29,213.63 246.06,213.87 UL3.7 ; 246.35,232.45 246.35,263.31 ; 206.09,229.19 206.09,246.95 206.06,246.98 ; 165.93,282.61 165.89,282.58 165.77,282.7 UH1.7 ; 165.93,282.61 165.93,263.62 ; UL7.7 396.55,213.47 396.74,213.28 ; 166.05,197.4 166.66,196.8 166.66,193.06 166.78,193.06 168.53,191.31 168.41,191.19 v1(168.41,188.89) 168.26,183.29 167.75,181.18 167.79,180.05 166.58,178.07 166.27,156.57 166.27,155.79 166.07,155.6 ; 317.98,180.57 318.05,180.64 317.98,180.71 317.98,187.31 318.94,188.27 318.94,196.55 317.32,196.55 315.88,197.99 ; 317.98,180.57 317.98,177.96 318.18,177.75 316.16,175.73 316.16,155.91 ; 317.98,180.57 UN5.8 ; 360.93,386.16 359.99,385.22 UB6.7 ; 360.93,386.16 v1(360.85,398.73) 360.93,398.77 360.89,398.81 ; 360.93,386.16 360.93,369 ; 166.06,366.78 166.21,366.63 170.01,366.63 v1(170.14,366.76) 170.28,366.63 170.33,366.63 170.45,366.76 ; 166.06,366.78 165.97,366.86 165.97,371.53 ; 208.53,381.54 208.53,370.62 208.72,370.43 ; 397.49,313.18 397.49,296.93 ; 397.49,313.18 396.78,313.89 UF7.7 ; 397.49,296.93 396.85,296.98 UG7.7 ; 249.06,362.89 248.92,362.76 UD3.9 ; 249.06,362.89 249.06,355.19 ; 249.06,362.89 249.06,372.06 ; 431.76,395.88 433.67,395.88 433.75,395.8 433.75,381.57 433.6,381.42 ; 431.76,395.88 431.43,396.04 429.22,396.04 ; 431.76,395.88 v1(431.67,396.98) 431.73,397.04 ; 433.67,333.19 433.67,313.87 ; 433.67,333.19 433.45,332.97 UE8.7 ; 433.67,313.87 433.67,297.51 ; 433.67,313.87 433.45,313.65 433.38,313.72 UF8.7 ; UB4.9 279.46,393.62 281.37,393.62 ; 166.21,379.84 166.29,385.48 166.17,388.58 ; 166.21,379.84 CR3.2 ; 282.03,280.4 282.03,275.29 281.78,275.03 280.44,273.11 279.59,270.9 278.89,269.19 278.87,267.5 278.87,238.71 278.43,238.27 v1(278.43,238.23) 278.4,238.23 278.39,238.22 278.39,221.47 278.85,221.01 ; 282.03,280.4 282.03,286.97 ; 282.03,280.4 282.03,279.99 282.01,279.96 281.92,280.05 UH4.8 ; 154.36,295.42 154.49,295.55 v1(154.53,295.55) 154.53,295.59 154.59,295.64 ; 360.78,263.23 360.78,280.4 ; 360.78,263.23 360.35,262.8 359.94,263.22 UJ6.7 ; 166.17,388.58 165.95,388.36 163.02,388.36 ; 166.17,388.58 166.17,389.18 166.68,389.69 166.68,399.41 167.31,400.05 168.08,400.05 v1(168.12,400.09) 168.16,400.05 168.59,400.05 168.67,399.96 168.67,399.58 169.16,399.09 C16.2 174.74,398.56 174.66,398.52 ; 396.74,160.09 396.5,159.86 391.21,159.86 391.06,160.01 390.16,161.05 UP7.10 ; 396.74,160.09 396.74,181.88 ; UR4.12 271.84,146.65 272.2,148.14 273.2,149.14 281.75,149.14 281.9,149.29 281.9,150.86 ; 318.56,352.21 318.38,352.39 UD5.8 ; 318.56,352.21 318.18,351.83 318.18,349.26 316.5,347.57 316.5,333.18 ; 318.56,352.21 318.63,352.28 318.63,362.86 316.05,365.44 316.05,368.32 315.81,368.56 ; UH3.7 246.16,282.55 246.35,282.36 ; 208.24,354.02 209.09,353.18 209.09,347.84 205.96,344.71 205.96,335.85 ; 208.24,354.02 208.58,354.02 208.6,354 208.86,354.26 208.86,362.21 210.16,363.52 210.16,369.28 209.87,369.28 208.72,370.43 ; 208.24,354.02 UD2.7 ; 433.6,381.42 433.62,381.4 433.62,367.63 ; 433.6,381.42 C17.1 ; UC3.11 237.19,382 237.33,382.7 249.2,382.73 249.23,382.76 ; 246.47,300.45 246.47,282.47 246.35,282.36 ; 246.47,300.45 246.35,300.33 246.25,300.43 UG3.7 ; 246.47,300.45 246.47,312.63 246.67,312.63 249,314.96 249,316.82 ; US1.12 158.32,129.86 158.64,130.68 158.95,130.95 160.04,132.35 162.57,132.55 163.31,132.78 164.05,132.78 v1(164.09,132.82) 164.13,132.78 167.98,132.78 168.53,133.33 168.53,147.54 166.07,149.99 ; 397.55,352.13 397.55,368.27 ; 397.55,352.13 397.55,332.79 ; 205.96,335.85 205.57,336.24 UE2.7 ; 397.55,384.93 397.55,368.27 ; 397.55,384.93 397.55,398.11 v1(397.61,398.16) 397.55,398.22 397.55,398.25 ; 397.55,384.93 397.51,384.97 UB7.7 ; 397.55,368.27 397.52,368.24 397.18,368.57 UC7.7 ; 279.28,352.68 279.36,352.76 279.36,368.41 278.71,369.06 ; US6.2 345.69,119.35 345.83,118.72 346.04,118.25 346.17,117.45 346.51,116.32 347.06,115.78 360.35,115.78 360.35,120.76 360.29,120.82 ; 429.22,396.04 429.14,396.12 427.61,396.12 427.23,395.12 426.64,394.07 426.92,393.3 UB8.10 ; 429.22,396.04 429.22,397.04 v1(429.17,397.09) 429.22,397.14 ; UG8.7 433.34,297.17 433.67,297.51 ; 435.02,181.69 434.48,181.15 434.34,177.17 432.47,173.67 431.74,171.71 429.18,168.29 C8.1 ; 435.02,181.69 434.86,181.86 434.86,196.47 434.64,196.68 435.02,197.06 435.02,202.32 435.66,202.96 435.66,205.79 434.05,207.41 434.05,209.44 v1(434.08,209.47) 434.05,209.51 434.05,210.56 430.03,214.58 430.03,220.32 431.05,221.34 431.05,224.79 432.05,225.79 432.05,225.93 v1(432.02,225.95) 432.05,225.98 432.05,230.91 432.86,231.72 432.86,240.69 433.18,241.02 433.18,249.35 ; 435.02,181.69 430.57,181.69 ; UR3.7 244.38,137.23 246.01,137.23 246.62,137.83 246.62,138.16 ; 360.93,369 360.48,368.55 360.46,368.57 UC6.7 ; 360.93,369 360.93,365.42 ; 397.55,332.79 397.43,332.67 396.93,333.17 UE7.7 ; 246.35,282.36 246.35,263.31 ; 246.35,263.31 246.29,263.25 246.07,263.48 UJ3.7 ; 316.16,155.91 315.57,155.32 UP5.7 ; 316.16,385.4 316.16,398.32 v1(316.19,398.35) 316.16,398.38 316.16,398.49 ; 316.16,385.4 316.16,380.45 ; 316.16,385.4 315.98,385.22 UB5.7 ; UL5.8 317.93,213.97 318.42,213.48 ; Y1.2 428.41,139.11 428.41,133.92 428,133.51 428,125.55 ; 316.5,292.95 315.09,292.95 v1(315.02,292.88) 314.92,292.78 ; 316.5,292.95 316.5,298.24 ; 208.6,142.61 208.6,127.88 208.92,127.55 208.92,126.54 205.89,123.51 205.89,121 205.86,120.97 205.84,120.99 US2.7 ; 208.6,142.61 207.82,142.61 v1(207.37,142.41) 207.16,142.28 ; 249.06,355.19 249.01,355.14 UD3.8 ; 249.06,355.19 249.06,351.29 248.13,350.36 248.13,348.26 247.19,347.33 247.19,345.97 246.96,345.73 246.96,344.28 246.47,343.79 246.47,335.93 ; 206.06,246.98 205.9,246.82 UK2.7 ; 360.78,280.4 360.78,279.72 360.67,279.62 360.45,279.84 UH6.7 ; UM2.15 191.52,205.31 191.75,207.42 192.27,208.11 192.73,208.37 192.75,208.38 196.28,208.38 ; US4.12 271.14,128.7 271.16,132.02 ; 396.74,114.32 396.74,110.33 396.76,110.3 ; 396.74,114.32 396.59,114.17 396.37,114.39 390.01,114.39 389.09,110.54 ; 271.16,132.02 271.17,133.78 ; 399.47,262.75 399.47,255.13 399.53,255.08 397.08,252.63 397.08,246.24 397.03,246.29 ; 399.47,262.75 399.41,262.7 398.96,263.14 UJ7.8 ; 316.5,298.24 315.71,297.45 315.61,297.54 UG5.7 ; 316.5,298.24 316.5,313.84 ; 246.53,397.42 v1(246.47,397.36) 246.53,397.06 248.88,394.7 248.88,387.3 249.23,386.95 ; 360.93,365.42 359.11,365.17 348.56,365.25 C52.1 ; 315.81,368.56 315.75,368.62 UC5.7 ; 315.81,368.56 316.16,368.91 316.16,380.45 ; 249.23,382.76 249.23,386.95 ; 249.23,382.76 249.06,372.06 ; 246.34,181.34 246.35,181.34 ; 246.34,181.34 246.34,171.07 v1(246.29,171.02) 246.34,170.96 246.34,169.66 246.62,169.38 246.62,155.94 ; 360.29,120.82 360.29,132.89 ; 360.29,120.82 360.18,120.71 360.18,120.72 US6.7 ; 208.72,370.43 UC2.8 ; 281.37,393.62 281.37,397.91 280.59,398.68 v1(280.16,398.74) 280.21,398.68 ; 278.85,221.01 276.98,221.01 UL4.7 ; 246.35,181.34 246.32,198 ; 246.35,181.34 246.35,215.14 ; 236.48,324.83 236.48,317.21 ; 397.03,246.29 UK7.7 ; 360.78,314.33 360.78,332.69 ; 360.78,314.33 360.57,314.12 UF6.7 ; 278.71,369.06 UC4.7 ; 165.68,336.12 165.95,335.85 165.95,316.82 ; 360.29,132.89 359.2,132.58 354.1,132.67 346.8,132.79 346.34,133.41 346.2,133.82 UR6.2 ; 165.97,371.53 165.82,371.69 UC1.7 ; 200.58,191.45 200.54,191.42 ; 200.54,191.42 199.21,190.38 199.12,188.6 UN2.12 ; 200.54,191.42 201.23,191.58 202.28,191.82 ; 318.42,213.48 317.05,212.11 317.05,208.09 316.23,207.27 316.23,201.15 315.88,200.81 315.88,197.99 ; UE3.7 246.31,336.09 246.47,335.93 ; 246.47,335.93 246.47,329.33 ; 246.47,329.33 246.26,329.13 239.43,329.13 238.35,328.54 237.33,328.14 C26.2 236.48,324.84 UF3.13 UF3.4 ; 316.5,333.18 316.2,333.47 UE5.7 ; 316.5,333.18 316.47,333.14 ; 316.5,333.18 316.5,313.84 ; UM7.7 396.38,196.84 396.74,197.2 ; 360.78,332.69 360.24,333.22 UE6.7 ; UP1.7 165.77,155.29 166.07,155.6 ; 183.36,396.48 183.28,396.57 v1(183.28,396.65) 183.19,396.65 183.11,396.74 181.75,396.74 180.31,397.29 178.78,397.75 174.74,398.48 ; 433.18,249.35 422.62,249 422.59,249.02 421.89,247.89 UK8.3 ; 433.18,249.35 433.02,258.75 433.67,297.51 ; 196.28,208.38 195.89,208.33 ; 165.95,316.82 165.95,300.26 ; 165.95,300.26 165.91,300.22 165.7,300.43 UG1.7 ; 246.62,138.16 246.62,120.66 246.34,120.38 245.99,120.74 US3.7 ; 246.62,138.16 246.62,155.94 ; 165.93,263.62 165.93,263.46 165.94,263.45 UJ1.7 ; 165.93,263.62 165.93,247.3 ; UD8.7 433.38,352.02 433.48,351.92 433.62,352.06 ; 433.62,352.06 433.62,367.63 ; 360.13,226.37 360.26,226.24 361.54,226.24 361.66,226.37 v1(361.66,226.44) 361.73,226.44 ; 166.07,155.6 166.07,149.99 ; 166.07,149.99 166.07,149.88 165.72,149.52 160.23,149.52 159.49,148.36 UR1.12 ; UC8.7 432.58,368.67 433.62,367.63 ; UK1.7 165.51,247.09 165.68,246.91 165.93,247.16 165.93,247.3 ; 396.74,213.28 396.74,197.2 ; 428,125.55 427.5,125.05 ; 315.88,197.99 315.16,197.27 UM5.7 ; 314.95,380.48 v1(315.09,380.48) 316.05,380.48 316.12,380.42 316.16,380.45 ; 396.74,181.88 396.74,197.2 ; 246.62,155.94 246.62,155.03 246.29,154.7 244.85,154.7 UP3.7 ; 249.06,372.06 UC3.7 ; 246.32,197.22 246.25,197.29 UM3.7